# Altium PCB ZJUD_MainBoard-V3.PcbDoc (part 1 of 2)
Units mil, origin at the board's own origin, x right, y up, seen from the top; angles counter-clockwise.
Board outline 3937.01 x 4131.27 mil, 2 copper layers (Top Layer, Bottom Layer), stack 65.792 mil thick; 40 components, 72 nets, 311 pads, 246 vias.
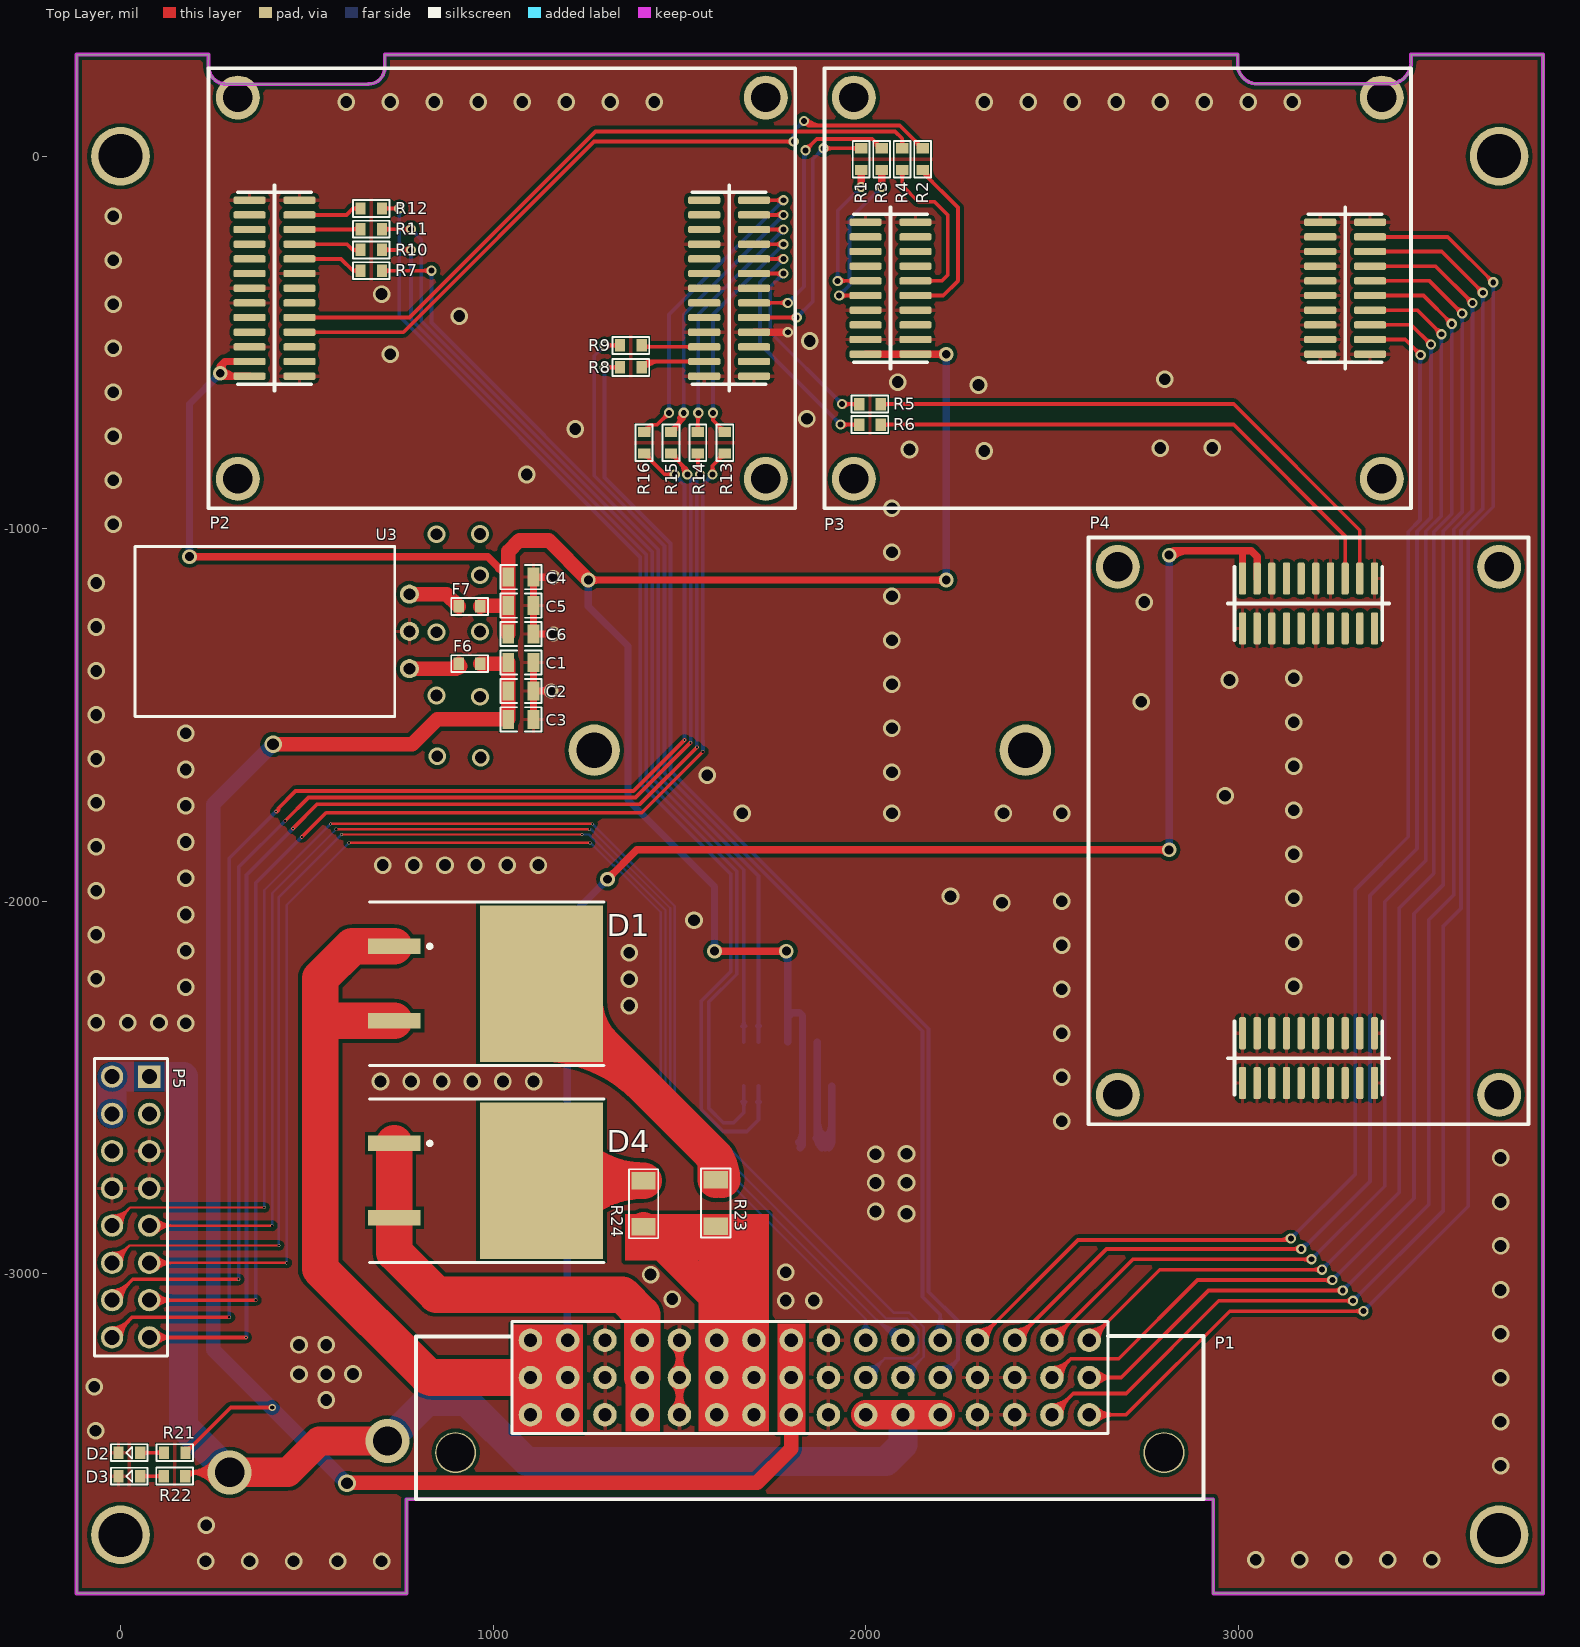
[diagram p0: Top Layer view]
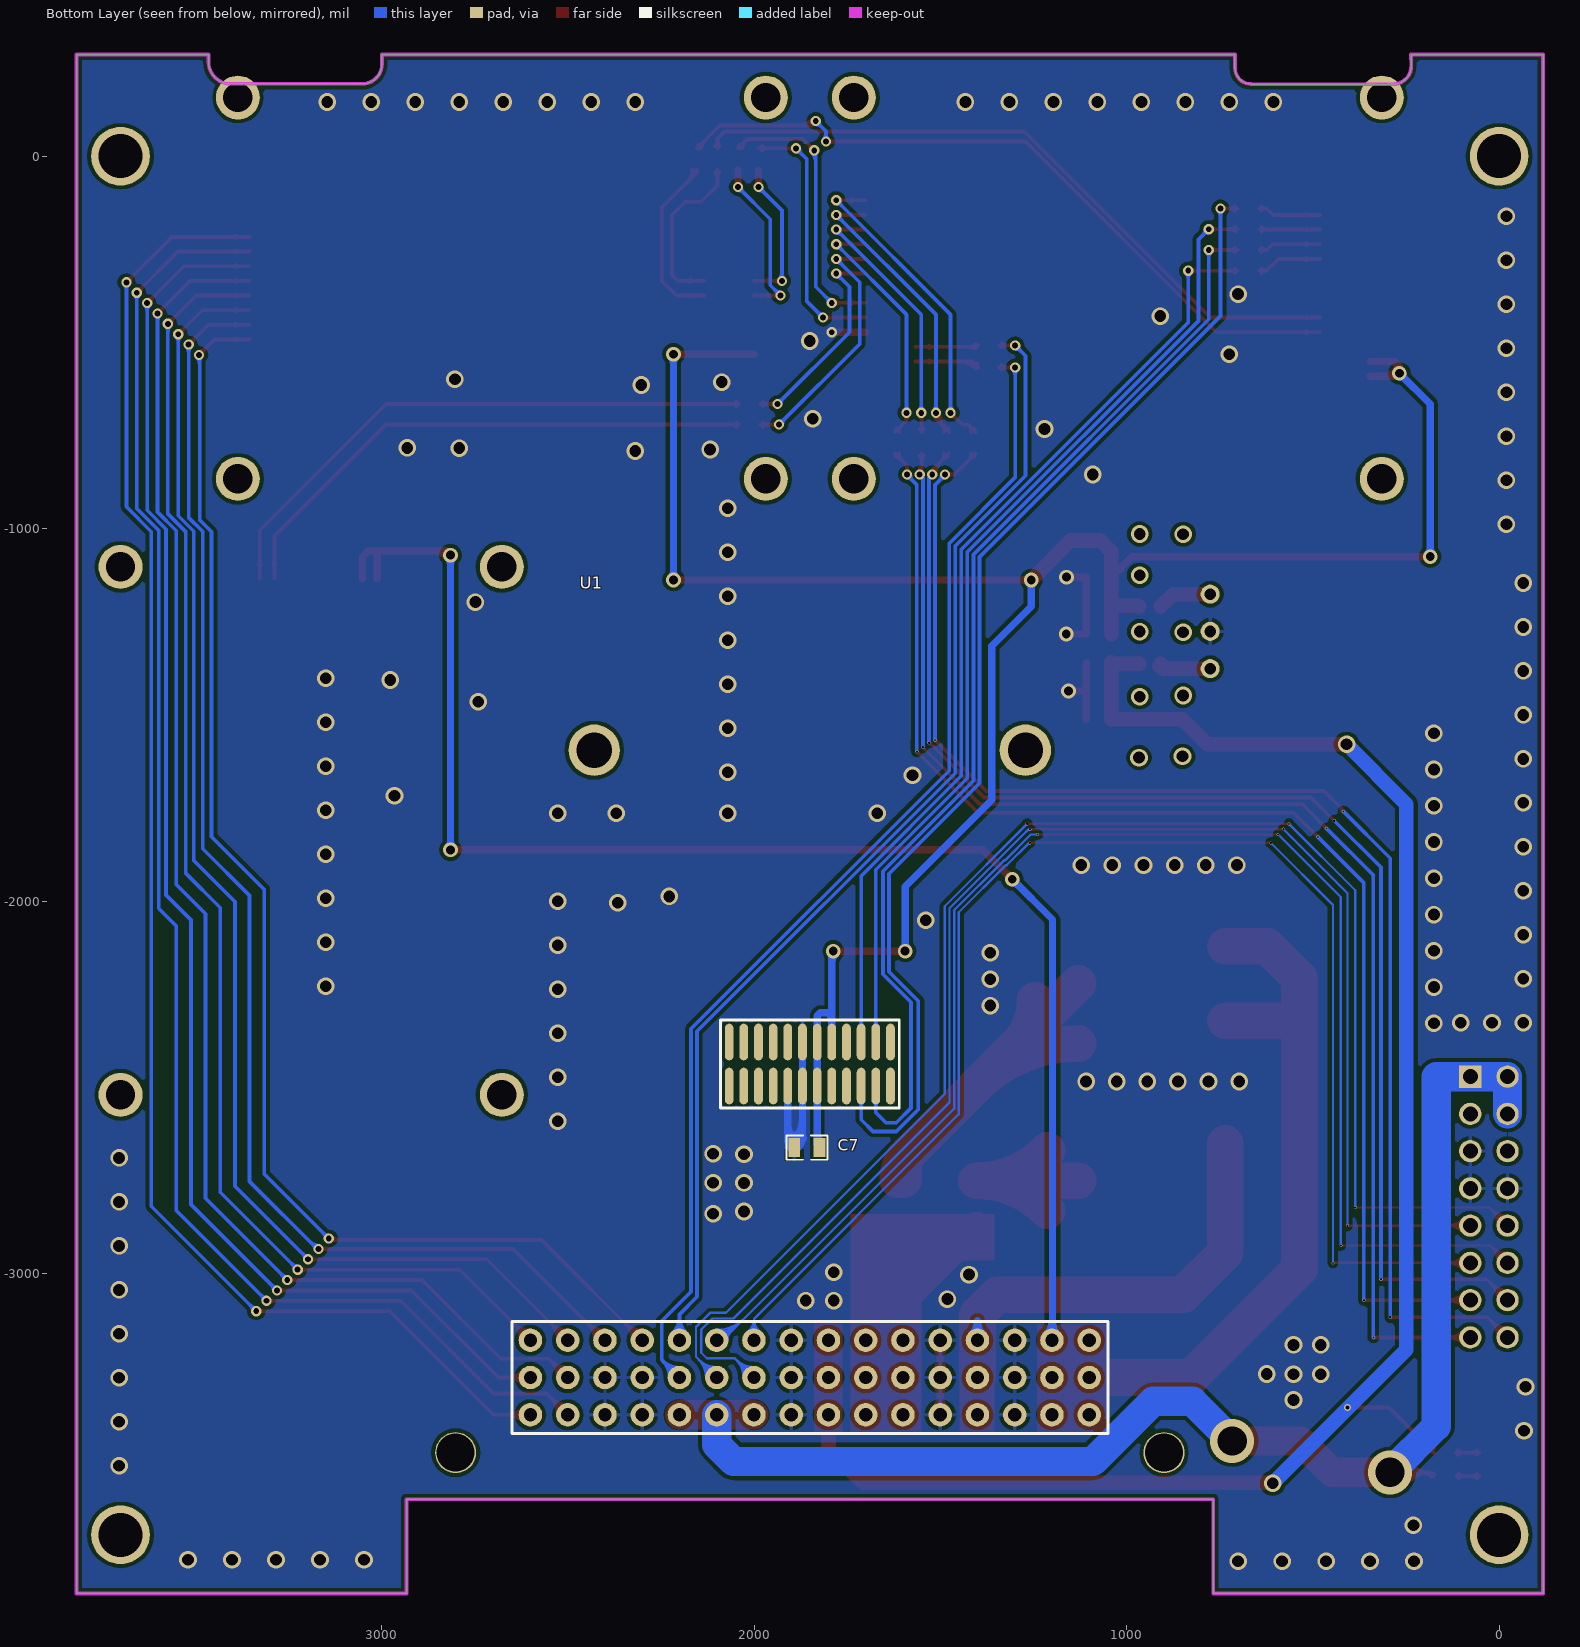
[diagram p1: Bottom Layer view, seen from below]
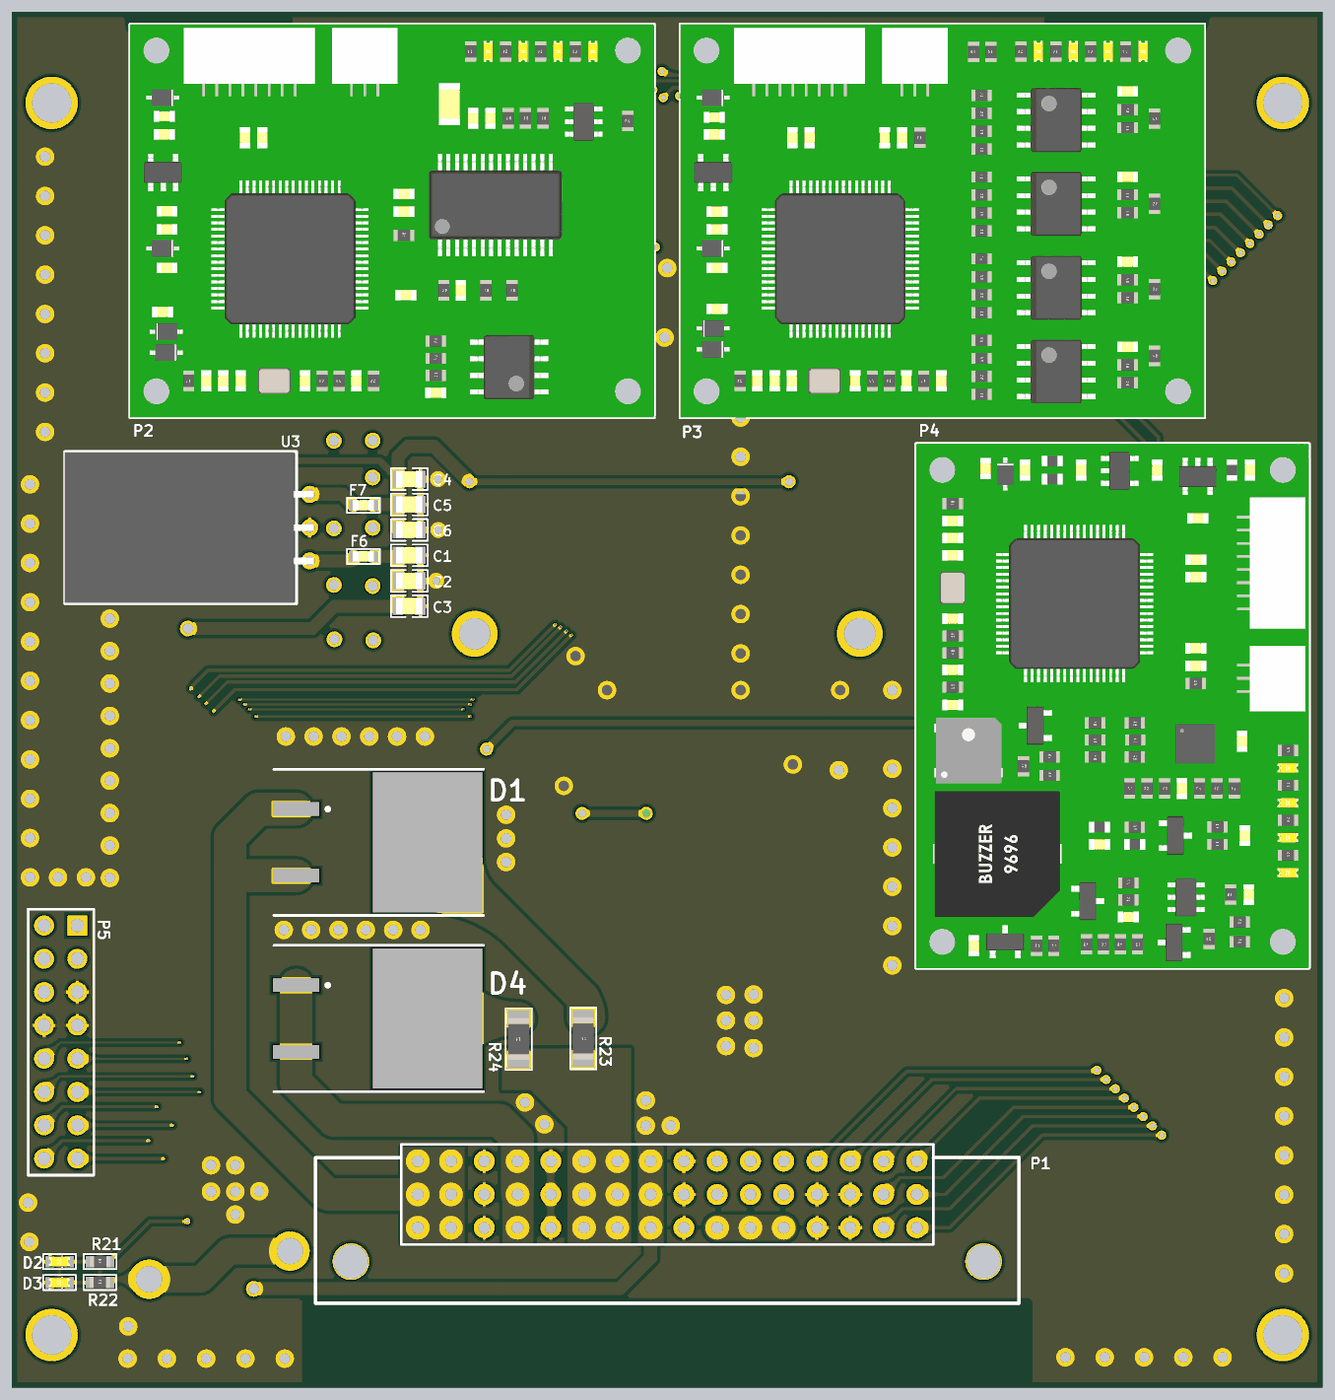
[diagram p3: 3D render of the assembled board from above, using the file's embedded part models]

## Layer stack, top to bottom
Top Solder: solder mask 0.4, Solder Resist, Dk 3.5
Top Layer: signal copper 1.4
Dielectric1: core 62.9921, FR-4, Dk 4.8
Bottom Layer: signal copper 1.4
Bottom Solder: solder mask 0.4, Solder Resist, Dk 3.5

## Board outline
285.35,193.35 cw(c284.74,242.22) 235.87,242.79 236.22,273 -118.11,273 -118.11,-3858.27 767.72,-3858.27 767.72,-3605.31 2933.07,-3605.31 2933.07,-3858.27 3818.9,-3858.27 3818.9,273 3464.57,273 3464.57,253.21 cw(c3405.62,253.21) 3405.67,194.26 3052.03,194.26 cw(c3051.99,247.25) 2999,247.25 2999,273 709,273 709,237 cw(c665.9,237) 665.93,193.9 665.9,193.35

## Design rules (kind name [scope] priority, off if disabled: settings)
Clearance Clearance_1 [INPOLYGON] p1: gap=10
Clearance [All] p2: gap=6.3
HoleSize [All] p1: absolutevalues=TRUE maxlimit=236.22 minlimit=1 maxpercent=80.000 minpercent=20.000
MinimumSolderMaskSliver [All] p1: minsoldermaskwidth=0.39
PolygonConnect PolygonConnect_1 [ISVIA] p1: connectstyle=Direct reliefconductorwidth=10 reliefentries=4 polygonreliefangle="90 Angle" airgapwidth=10
PolygonConnect [All] p2: connectstyle=Relief reliefconductorwidth=10 reliefentries=4 polygonreliefangle="90 Angle" airgapwidth=10
RoutingVias [All] p1: holewidth=12 width=10 viastyle="Through Hole" minholewidth=6 minwidth=8 maxholewidth=196.85 maxwidth=236.22
SilkToSilkClearance [All] p1: silktosilkclearance=0.39
SilkToSolderMaskClearance [IsPad] p1: minsilkscreentomaskgap=0.39 clearancetoexposedcopper=TRUE
SolderMaskExpansion [All] p1: expansion=4
Width [All] p1: maxlimit=118.11 minlimit=6.3 preferedwidth=10
25 further rules are at their usual default settings.

## Components (designator, comment, footprint, x,y, rotation, side; value= is the part's Value field where it differs from the comment)
C1 "0805" 0805C 1074.8,-1359.06 r180 top
C2 "0805" 0805C 1074.8,-1435.43 r180 top
C3 "0805" 0805C 1074.8,-1511.81 r180 top
C4 "0805" 0805C 1074.8,-1129.92 r180 top
C5 "0805" 0805C 1074.8,-1206.3 r180 top
C6 "0805" 0805C 1074.8,-1282.68 r180 top
C7 "0805" 0805C 1858.27,-2661.42 r180 bottom
D1 "30CTQ80-S" D2PAK 975,-2221 r270 top
D2 "LED0603" 0603Led 23.62,-3480.31 r0 top
D3 "LED0603" 0603Led 23.62,-3543.31 r0 top
D4 "30CTQ80-S" D2PAK 975,-2750 r270 top
F6 "Fuse_0603" 0603Fuse 937.01,-1362.2 r0 top
F7 "Fuse_0603" 0603Fuse 937.01,-1208.66 r0 top
P1 "DIN41612_wanzhen_348" DIN41612_wanzhen_348 1850.39,-3278.54 r0 top locked
P2 "ZJUD_Core_Module" ZJUD_CORE_MODULE 1811.02,-944.88 r90 top locked
P3 "ZJUD_Motor_Module" ZJUD_MOTOR_MODULE 3464.57,-944.88 r90 top locked
P4 "ZJUD_Voltage_Module" ZJUD_VOLTAGE_MODULE 2598.43,-2598.43 r0 top locked
P5 "Header-2X8-2.54mm" Header-2X8-2.54mm 77.29,-2470.79 r270 top
R1 "Rb" 0603R 2153.54,-7.87 r270 top
R2 "Rb" 0603R 1988.19,-7.87 r270 top
R3 "Rb" 0603R 2098.43,-7.87 r270 top
R4 "Rb" 0603R 2043.31,-7.87 r270 top
R5 "Rb" 0603R 2011.81,-665.35 r0 top
R6 "Rb" 0603R 2011.81,-720.47 r0 top
R7 "Rb" 0603R 673.23,-307.09 r0 top
R8 "Rb" 0603R 1370.08,-566.93 r180 top
R9 "Rb" 0603R 1370.08,-507.87 r180 top
R10 "Rb" 0603R 673.23,-251.5 r0 top
R11 "Rb" 0603R 673.23,-195.91 r0 top
R12 "Rb" 0603R 673.23,-140.32 r0 top
R13 "Rb" 0603R 1622.05,-769.13 r270 top
R14 "Rb" 0603R 1549.87,-769.13 r270 top
R15 "Rb" 0603R 1477.69,-769.13 r270 top
R16 "Rb" 0603R 1405.51,-769.13 r270 top
R21 "Rb" 0603R 145.67,-3480.31 r0 top
R22 "Rb" 0603R 145,-3543 r0 top
R23 "Rd" 1206R 1598,-2810 r270 top
R24 "Rd" 1206R 1404,-2812 r90 top
U1 "ADIS16355" ADIS16355 1850.39,-2515.75 r180 bottom
U3 "K7805-1500" K78X6-1500(L) 775.59,-1275.59 r0 top

## Footprints (in the part's own frame and the unit in brackets; to place one, negate y for a bottom-side part, rotate by r counter-clockwise, add the part's x,y. Pads: shape width x height; smd on the part's side, far side on the other; paste and mask are expansions set on the pad)
0603Fuse [mm] "0603贴片保险丝"
  rect 0.7x0.85 smd: 1(-0.736,0) 2(0.736,0)
  silkscreen extent -1.25,-0.58 1.25,0.58, body extent -0.8,-0.4 0.8,0.4, height 0.73
0603Led [mm] "0603贴片LED"
  rect 0.7x0.85 smd: 1(-0.736,0) 2(0.736,0)
  silkscreen extent -1.25,-0.57 1.25,0.58, body extent -0.81,-0.4 0.81,0.4, height 0.62
0603R [mm] "0603贴片电阻"
  rect 0.7x0.85 smd: 1(-0.736,0) 2(0.736,0)
  silkscreen extent -1.25,-0.58 1.25,0.58, body extent -0.78,-0.43 0.78,0.43, height 0.48
0805C [mm] "0805贴片电容"
  rect 0.8x1.3 smd: 1(-0.856,0) 2(0.855,0)
  silkscreen extent -1.4,-0.82 1.4,0.82, body extent -1,-0.62 1,0.62, height 1.23
1206R [mm] "1206贴片电阻"
  rect 1.2x1.65 smd: 1(-1.575,0) 2(1.575,0)
  silkscreen extent -2.35,-1 2.35,1, body extent -1.6,-0.8 1.6,0.8, height 0.52
ADIS16355 [mm]
  round 3.5 hole 2.4: 0(-14.7,23.4) 0(14.7,23.4)
  oval 0.6x2.5 smd: 1(5.5,0.5) 2(5.5,3.5) 3(4.5,0.5) 4(4.5,3.5) 5(3.5,0.5) 6(3.5,3.5) 7(2.5,0.5) 8(2.5,3.5) 9(1.5,0.5) 10(1.5,3.5) 11(0.5,0.5) 12(0.5,3.5) 13(-0.5,0.5) 14(-0.5,3.5) 15(-1.5,0.5) 16(-1.5,3.5) 17(-2.5,0.5) 18(-2.5,3.5) 19(-3.5,0.5) 20(-3.5,3.5) 21(-4.5,0.5) 22(-4.5,3.5) 23(-5.5,0.5) 24(-5.5,3.5)
  silkscreen extent -6.1,-1 6.1,5, body extent -15.85,-1.74 15.85,34.05, height 23.27
D2PAK [mil]
  rect 41.34x140 smd: 1(-100,-240) 3(100,-240)
  rect 420x330 smd: 2(0,155)
  silkscreen extent -219,-307 219,323
DIN41612_wanzhen_348 [mm] "DIN41612连接器弯针2*24"
  round 2.8 hole 2.6: 0(-24.15,-5.125) 0(24.15,-5.125)
  round 1.6 hole 0.9: 1(-19.05,2.54) 2(-16.51,2.54) 3(-13.97,2.54) 4(-11.43,2.54) 5(-8.89,2.54) 6(-6.35,2.54) 7(-3.81,2.54) 8(-1.27,2.54) 9(1.27,2.54) 10(3.81,2.54) 11(6.35,2.54) 12(8.89,2.54) 13(11.43,2.54) 14(13.97,2.54) 15(16.51,2.54) 16(19.05,2.54) 17(-19.05,0) 18(-16.51,0) 19(-13.97,0) 20(-11.43,0) 21(-8.89,0) 22(-6.35,0) 23(-3.81,0) 24(-1.27,0) 25(1.27,0) 26(3.81,0) 27(6.35,0) 28(8.89,0) 29(11.43,0) 30(13.97,0) 31(16.51,0) 32(19.05,0) 33(-19.05,-2.54) 34(-16.51,-2.54) 35(-13.97,-2.54) 36(-11.43,-2.54) 37(-8.89,-2.54) 38(-6.35,-2.54) 39(-3.81,-2.54) 40(-1.27,-2.54) 41(1.27,-2.54) 42(3.81,-2.54) 43(6.35,-2.54) 44(8.89,-2.54) 45(11.43,-2.54) 46(13.97,-2.54) 47(16.51,-2.54) 48(19.05,-2.54)
  silkscreen extent -26.85,-8.3 26.85,3.81, body extent -26.85,-15.22 26.85,2.8, height 9.42
Header-2X8-2.54mm [mil]
  rect 60x60 hole 40: 1(0,0)
  round 60 hole 40: 2(0,-100) 3(100,0) 4(100,-100) 5(200,0) 6(200,-100) 7(300,0) 8(300,-100) 9(400,0) 10(400,-100) 11(500,0) 12(500,-100) 13(600,0) 14(600,-100) 15(700,0) 16(700,-100)
  silkscreen extent -49,-148 750,49
K78X6-1500(L) [mm]
  round 1.3 hole 0.8: 1(0,-2.54) 2(0,0) 3(0,2.54)
  silkscreen extent -18.7,-5.8 -1,5.8, body extent -18.7,-5.75 0.3,5.75, height 9.02
ZJUD_CORE_MODULE [mm]
  round 3 hole 2: 0(2,38) 0(2,2) 0(28,2) 0(28,38)
  rrect50% 0.5x2.2 smd: 1(9,37.2) 2(9,33.8) 3(10,37.2) 4(10,33.8) 5(11,37.2) 6(11,33.8) 7(12,37.2) 8(12,33.8) 9(13,37.2) 10(13,33.8) 11(14,37.2) 12(14,33.8) 13(15,37.2) 14(15,33.8) 15(16,37.2) 16(16,33.8) 17(17,37.2) 18(17,33.8) 19(18,37.2) 20(18,33.8) 21(19,37.2) 22(19,33.8) 23(20,37.2) 24(20,33.8) 25(21,37.2) 26(21,33.8) 31(9,6.2) 32(9,2.8) 33(10,6.2) 34(10,2.8) 35(11,6.2) 36(11,2.8) 37(12,6.2) 38(12,2.8) 39(13,6.2) 40(13,2.8) 41(14,6.2) 42(14,2.8) 43(15,6.2) 44(15,2.8) 45(16,6.2) 46(16,2.8) 47(17,6.2) 48(17,2.8) 49(18,6.2) 50(18,2.8) 51(19,6.2) 52(19,2.8) 53(20,6.2) 54(20,2.8) 55(21,6.2) 56(21,2.8)
  silkscreen extent 0,0 30,40, body extent 0,0 30,40, height 8.62
ZJUD_MOTOR_MODULE [mm]
  round 3 hole 2: 0(2,38) 0(2,2) 0(28,2) 0(28,38)
  rrect50% 0.5x2.2 smd: 1(10.5,37.2) 2(10.5,33.8) 3(11.5,37.2) 4(11.5,33.8) 5(12.5,37.2) 6(12.5,33.8) 7(13.5,37.2) 8(13.5,33.8) 9(14.5,37.2) 10(14.5,33.8) 11(15.5,37.2) 12(15.5,33.8) 13(16.5,37.2) 14(16.5,33.8) 15(17.5,37.2) 16(17.5,33.8) 17(18.5,37.2) 18(18.5,33.8) 19(19.5,37.2) 20(19.5,33.8) 21(10.5,6.2) 22(10.5,2.8) 23(11.5,6.2) 24(11.5,2.8) 25(12.5,6.2) 26(12.5,2.8) 27(13.5,6.2) 28(13.5,2.8) 29(14.5,6.2) 30(14.5,2.8) 31(15.5,6.2) 32(15.5,2.8) 33(16.5,6.2) 34(16.5,2.8) 35(17.5,6.2) 36(17.5,2.8) 37(18.5,6.2) 38(18.5,2.8) 39(19.5,6.2) 40(19.5,2.8)
  silkscreen extent 0,0 30,40, body extent 0,0 30,40, height 8.62
ZJUD_VOLTAGE_MODULE [mm]
  round 3 hole 2: 0(2,2) 0(2,38) 0(28,2) 0(28,38)
  rrect50% 0.5x2.2 smd: 1(10.5,37.2) 2(10.5,33.8) 3(11.5,37.2) 4(11.5,33.8) 5(12.5,37.2) 6(12.5,33.8) 7(13.5,37.2) 8(13.5,33.8) 9(14.5,37.2) 10(14.5,33.8) 11(15.5,37.2) 12(15.5,33.8) 13(16.5,37.2) 14(16.5,33.8) 15(17.5,37.2) 16(17.5,33.8) 17(18.5,37.2) 18(18.5,33.8) 19(19.5,37.2) 20(19.5,33.8) 21(10.5,6.2) 22(10.5,2.8) 23(11.5,6.2) 24(11.5,2.8) 25(12.5,6.2) 26(12.5,2.8) 27(13.5,6.2) 28(13.5,2.8) 29(14.5,6.2) 30(14.5,2.8) 31(15.5,6.2) 32(15.5,2.8) 33(16.5,6.2) 34(16.5,2.8) 35(17.5,6.2) 36(17.5,2.8) 37(18.5,6.2) 38(18.5,2.8) 39(19.5,6.2) 40(19.5,2.8)
  silkscreen extent 0,0 30,40, body extent 0,0 30,40, height 11.12

## Part data
C1 C2 C3 C4 C5 C6 C7: library part Cap0805
D1 D4: library part MBR1035CT
P5: "Upper board tp lower board"
R1 R2 R3 R4 R5 R6 R7 R8 R9 R10 R11 R12 R13 R14 R15 R16 R21 R22: library part Res0603
R23 R24: library part Res1206

## Free pads (board coordinates)
  round 157.48 hole 118.11: 0(0,-3700.79) 0(0,0) 0(3700.79,-3700.79) 0(3700.79,0)

## Via types
v1: diameter 47.24, hole 31.5, Top Layer to Bottom Layer, 157 vias
v2: diameter 27.56, hole 15.75, Top Layer to Bottom Layer, 49 vias
v3: diameter 8, hole 6, Top Layer to Bottom Layer, 24 vias
v4: diameter 39.37, hole 23.62, Top Layer to Bottom Layer, 13 vias
v5: diameter 118.11, hole 78.74, Top Layer to Bottom Layer, 2 vias
v6: diameter 19.68, hole 11.81, Top Layer to Bottom Layer, 1 vias